# Allegro board RUBUS_20173009.brd (continued)
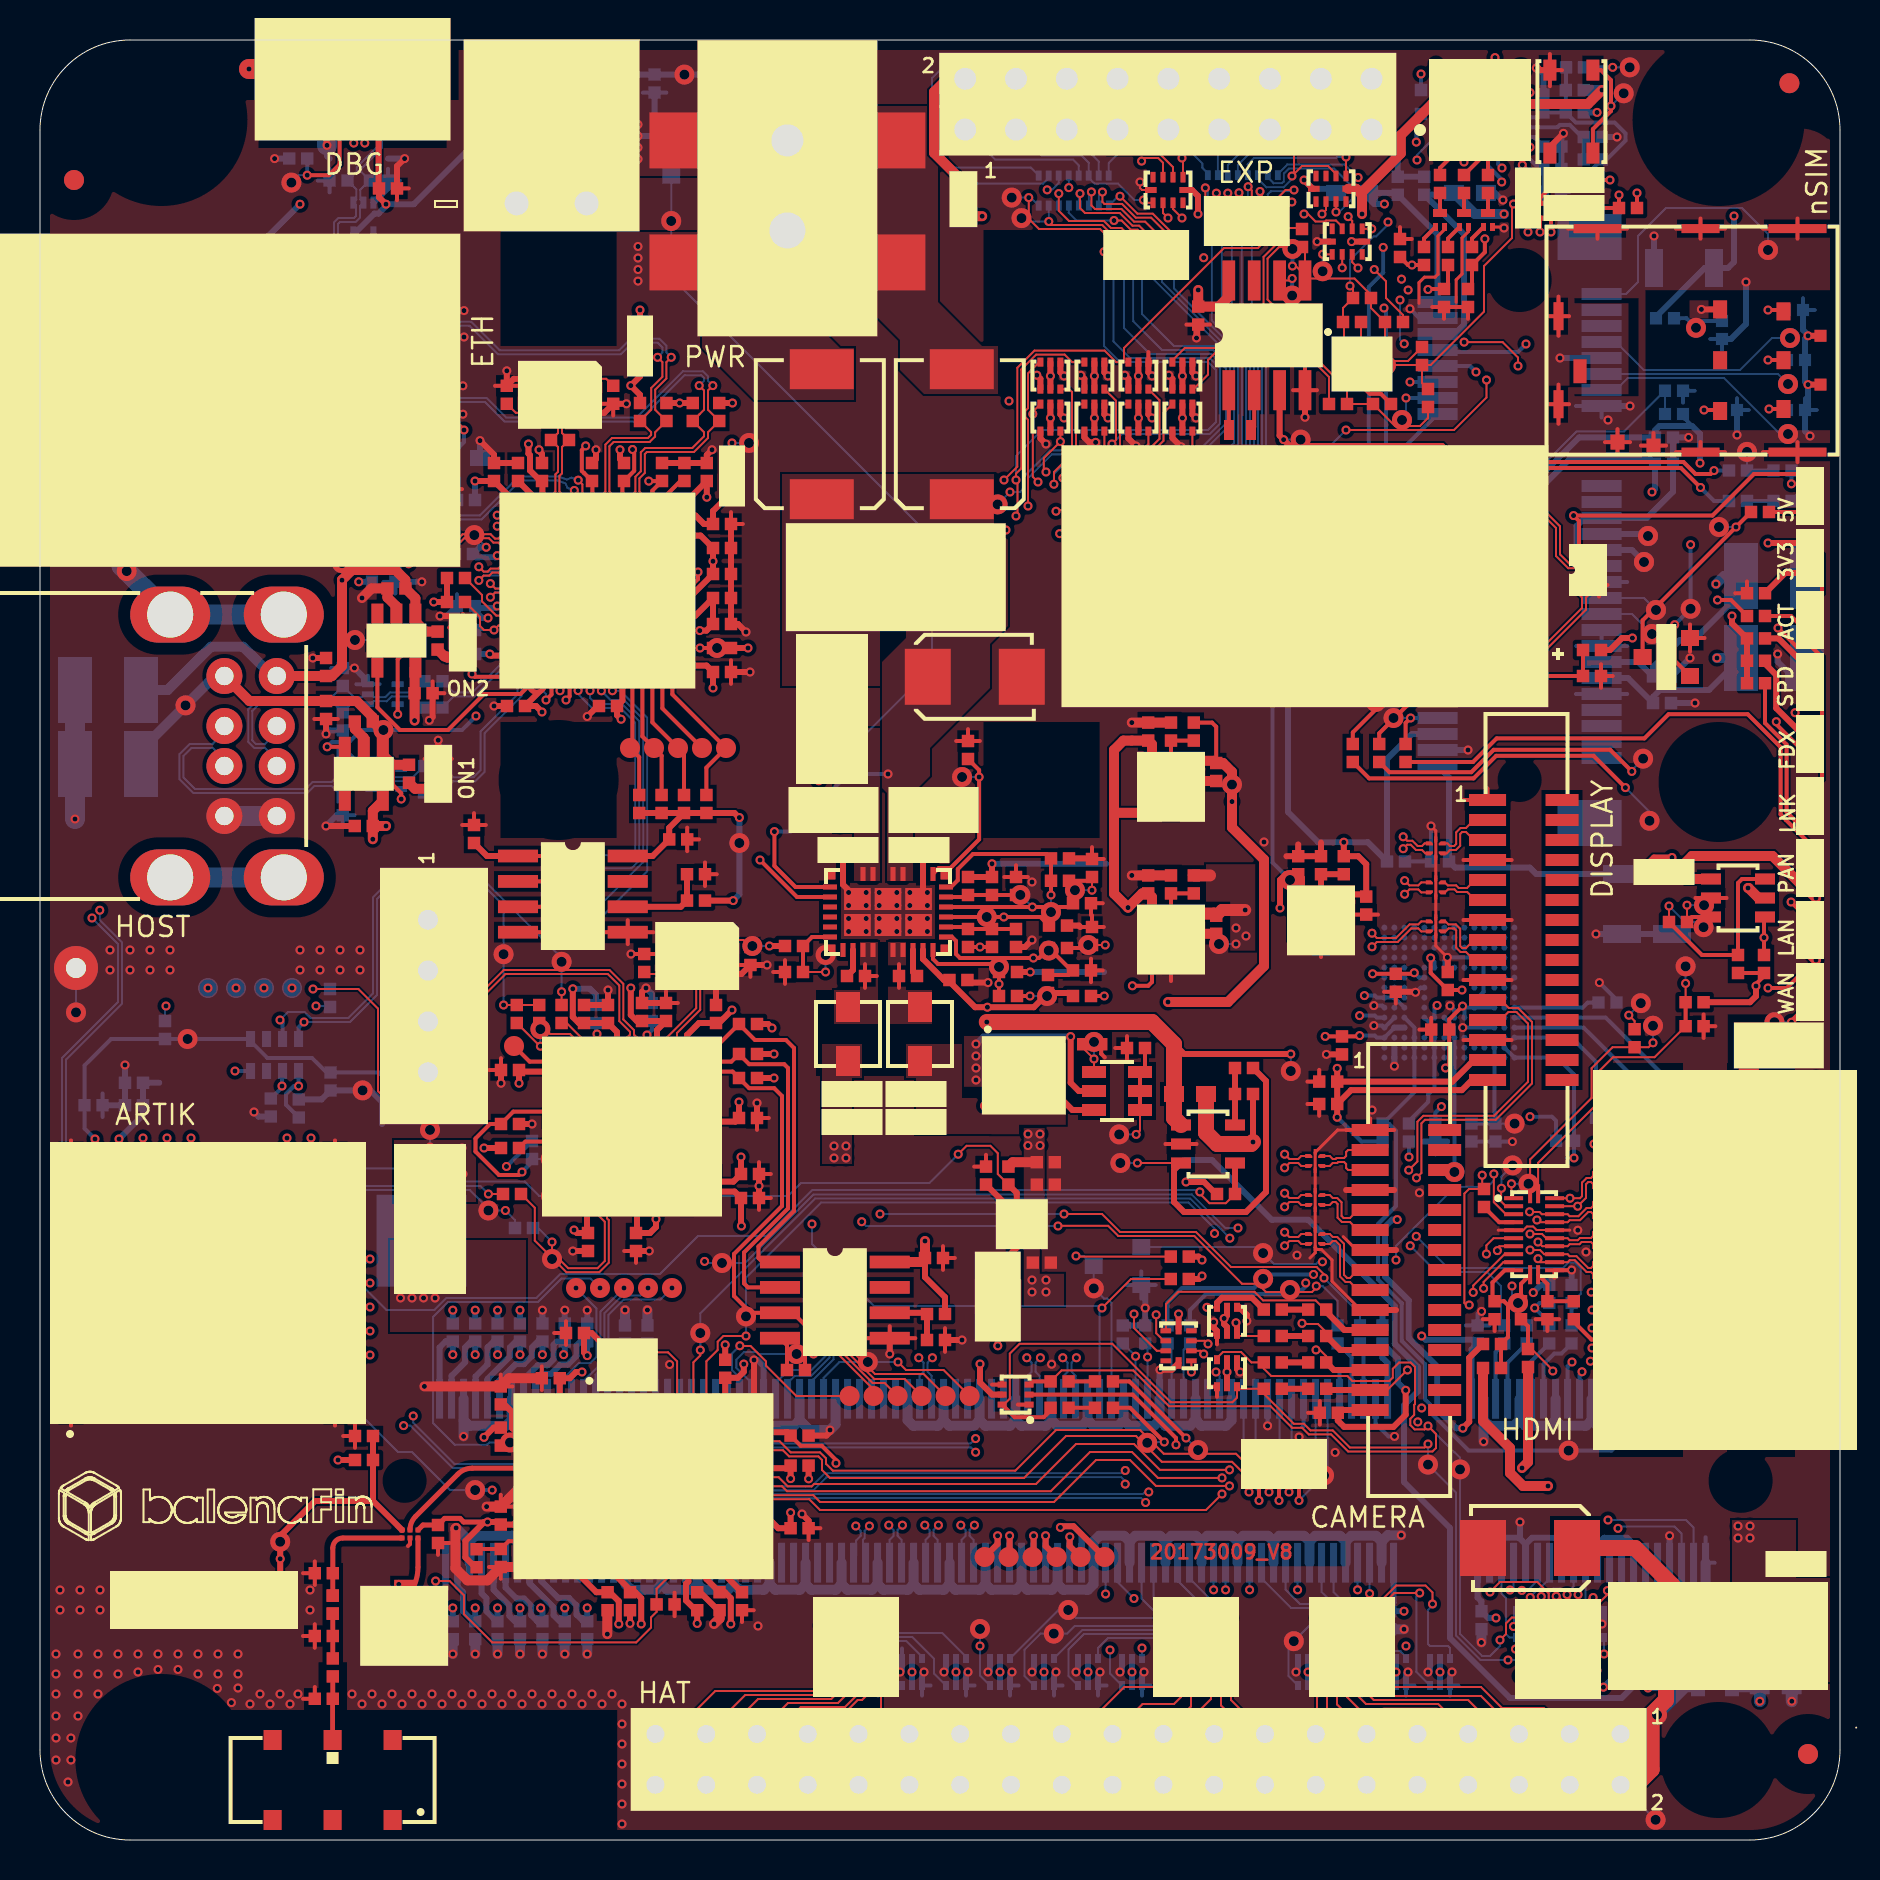
[diagram p0: board, top side]
## Placement (name value [footprint] x y rotation side) (continued)
NOREF#1676  -  []  4.56 37.55 90 top
NOREF#1677  -  []  70.23 29.5 90 top
NOREF#1678  -  []  75.17 86.38 90 top
NOREF#1679  -  []  63.69 30.6 0 top
NOREF#1680  -  []  16.39 57.79 0 top
NOREF#1681  -  []  42.7 7.9 90 top
NOREF#1682  -  []  57.91 75.77 90 top
NOREF#1683  -  []  69.56 40.52 0 top
NOREF#1684  -  []  70.24 45.33 90 top
NOREF#1685  -  []  39.05 7.65 0 top
NOREF#1686  -  []  75.92 76.19 0 top
NOREF#1687  -  []  69.89 77.86 0 top
NOREF#1688  -  []  40.9 36.3 0 top
NOREF#1689  -  []  101.58 69.17 90 top
NOREF#1690  -  []  77.12 88.17 0 top
NOREF#1691  -  []  20.95 25.52 90 top
NOREF#1692  -  []  95.3 33.5 90 top
NOREF#1693  -  []  77.88 80.57 0 top
NOREF#1694  -  []  72.15 14.6 0 top
NOREF#1695  -  []  14.64 11.32 90 top
NOREF#1696  -  []  15.14 55.48 90 top
NOREF#1697  -  []  15.43 56.23 0 top
NOREF#1698  -  []  38.62 50.55 90 top
NOREF#1699  -  []  49.99 29.77 90 top
NOREF#1700  -  []  70.08 42.81 0 top
NOREF#1701  -  []  57.27 43.47 0 top
NOREF#1702  -  []  59.16 31.99 90 top
NOREF#1703  -  []  47.95 23 0 top
NOREF#1704  -  []  12 6.55 0 top
NOREF#1705  -  []  33.65 58.4 0 top
NOREF#1706  -  []  65.1 39.28 90 top
NOREF#1707  -  []  75.49 35.27 0 top
NOREF#1708  -  []  57.73 43.47 90 top
NOREF#1709  -  []  79.99 37.96 0 top
NOREF#1710  -  []  46.99 33.98 0 top
NOREF#1711  -  []  26.89 41.16 0 top
NOREF#1712  -  []  58.5 53.26 0 top
NOREF#1713  -  []  28.71 40.54 90 top
NOREF#1714  -  []  57.5 24.86 0 top
NOREF#1715  -  []  40.73 52.45 0 top
NOREF#1716  -  []  85.9 79.5 0 top
NOREF#1717  -  []  18.89 52.69 0 top
NOREF#1718  -  []  48.02 36.33 0 top
NOREF#1719  -  []  6.07 4 0 top
NOREF#1720  -  []  79.05 10.35 0 top
NOREF#1721  -  []  78.95 81.6 0 top
NOREF#1722  -  []  37.84 43.71 0 top
NOREF#1723  -  []  4.2 55.85 90 top
NOREF#1724  -  []  74.71 24.24 90 top
NOREF#1725  -  []  50.02 72.55 90 top
NOREF#1726  -  []  24.91 33.74 90 top
NOREF#1727  -  []  71.91 85.14 90 top
NOREF#1728  -  []  85.05 63.2 0 top
NOREF#1729  -  []  57.62 72.55 90 top
NOREF#1730  -  []  55.26 24.83 90 top
NOREF#1731  -  []  80.34 57.16 0 top
NOREF#1732  -  []  51.74 21.3 90 top
NOREF#1733  -  []  20.45 74.84 90 top
NOREF#1734  -  []  53.07 72.02 0 top
NOREF#1735  -  []  73.98 53 90 top
NOREF#1736  -  []  44.35 25 0 top
NOREF#1737  -  []  71.57 26.04 0 top
NOREF#1738  -  []  25.12 24.93 90 top
NOREF#1739  -  []  22.01 49.54 90 top
NOREF#1740  -  []  81.15 49.25 0 top
NOREF#1741  -  []  70.7 42.19 90 top
NOREF#1742  -  []  65.91 82.75 0 top
NOREF#1743  -  []  29 54.6 0 top
NOREF#1744  -  []  88.15 45.9 0 top
NOREF#1745  -  []  78.05 14.55 0 top
NOREF#1746  -  []  67.79 42.41 90 top
NOREF#1747  -  []  35.76 14.86 90 top
NOREF#1748  -  []  51.34 43.79 0 top
NOREF#1749  -  []  31.46 50.03 0 top
NOREF#1750  -  []  24.2 71.94 0 top
NOREF#1751  -  []  67.75 14.65 0 top
NOREF#1752  -  []  69.45 83.95 0 top
NOREF#1753  -  []  19.57 60.73 0 top
NOREF#1754  -  []  23.01 67.64 90 top
NOREF#1755  -  []  57.75 28.86 90 top
NOREF#1756  -  []  73.08 71.92 0 top
NOREF#1757  -  []  37.04 23.81 0 top
NOREF#1758  -  []  69.95 84.45 0 top
NOREF#1759  -  []  60.88 26.83 0 top
NOREF#1760  -  []  26.55 25.52 90 top
NOREF#1761  -  []  33.03 68.26 0 top
NOREF#1762  -  []  67.68 13.86 0 top
NOREF#1763  -  []  17.71 82.66 90 top
NOREF#1764  -  []  71.88 35.51 90 top
NOREF#1765  -  []  83.28 45.65 90 top
NOREF#1766  -  []  87.35 71.5 0 top
NOREF#1767  -  []  74.86 84.98 0 top
NOREF#1768  -  []  19.16 11.56 0 top
NOREF#1769  -  []  57.75 27.74 90 top
NOREF#1770  -  []  47.44 40.13 0 top
NOREF#1771  -  []  75.66 25.8 90 top
NOREF#1772  -  []  77.12 84.02 90 top
NOREF#1773  -  []  46.15 7.95 0 top
NOREF#1774  -  []  26.61 25.04 90 top
NOREF#1775  -  []  7.9 42.6 0 top
NOREF#1776  -  []  77.61 42.18 0 top
NOREF#1777  -  []  23.65 72.4 90 top
NOREF#1778  -  []  40.15 48.77 0 top
NOREF#1779  -  []  67.2 7.4 90 top
NOREF#1780  -  []  14.5 41.65 90 top
NOREF#1781  -  []  48.1 22.77 0 top
NOREF#1782  -  []  40.09 71.94 90 top
NOREF#1783  -  []  69.86 48.62 90 top
NOREF#1784  -  []  76.38 26.35 0 top
NOREF#1785  -  []  39.8 35.9 0 top
NOREF#1786  -  []  19.51 53.39 90 top
NOREF#1787  -  []  9.22 51.2 0 top
NOREF#1788  -  []  66.58 85.52 90 top
NOREF#1789  -  []  78 81.2 90 top
NOREF#1790  -  []  65.2 73.05 0 top
NOREF#1791  -  []  51.65 46.84 0 top
NOREF#1792  -  []  26.24 10.04 90 top
NOREF#1793  -  []  66.62 45.96 90 top
NOREF#1794  -  []  76.95 62.75 0 top
NOREF#1795  -  []  70.35 8.85 90 top
NOREF#1796  -  []  4.25 37.86 0 top
NOREF#1797  -  []  50.08 77.6 90 top
NOREF#1798  -  []  61.66 71.49 0 top
NOREF#1799  -  []  76.69 26.04 90 top
NOREF#1800  -  []  63.1 79.65 90 top
NOREF#1801  -  []  45.47 43 0 top
NOREF#1802  -  []  14.75 22.2 90 top
NOREF#1803  -  []  88.74 5.3 0 top
NOREF#1804  -  []  19.88 59.52 90 top
NOREF#1805  -  []  67.44 34.61 90 top
NOREF#1806  -  []  48.34 31.52 0 top
NOREF#1807  -  []  42.4 9.9 0 top
NOREF#1808  -  []  14.84 37.17 90 top
NOREF#1809  -  []  77.15 11.55 0 top
NOREF#1810  -  []  50.4 42.35 90 top
NOREF#1811  -  []  7.7 8.82 0 top
NOREF#1812  -  []  78.23 41.56 90 top
NOREF#1813  -  []  72.73 61.12 0 top
NOREF#1814  -  []  56.05 10.15 0 top
NOREF#1815  -  []  18.23 17.96 0 top
NOREF#1816  -  []  51.96 43.17 90 top
NOREF#1817  -  []  74.65 11.25 90 top
NOREF#1818  -  []  31.76 66.44 90 top
NOREF#1819  -  []  75.7 13.2 90 top
NOREF#1820  -  []  30.29 41.26 0 top
NOREF#1821  -  []  3.63 65.84 0 top
NOREF#1822  -  []  31.06 43.88 0 top
NOREF#1823  -  []  18.08 0.5 90 top
NOREF#1824  -  []  81.6 45.3 90 top
NOREF#1825  -  []  63.72 26.21 90 top
NOREF#1826  -  []  77.92 41.87 0 top
NOREF#1827  -  []  19.51 52.07 90 top
NOREF#1828  -  []  54.85 50.91 90 top
NOREF#1829  -  []  19.22 56.62 0 top
NOREF#1830  -  []  23.91 58.58 0 top
NOREF#1831  -  []  34.95 38.1 0 top
NOREF#1832  -  []  71.76 84.79 90 top
NOREF#1833  -  []  70.19 82.75 0 top
NOREF#1834  -  []  80.04 39.33 90 top
NOREF#1835  -  []  27.02 21.29 0 top
NOREF#1836  -  []  56.05 10.15 90 top
NOREF#1837  -  []  13.74 7.06 0 top
NOREF#1838  -  []  13.9 85.02 90 top
NOREF#1839  -  []  55.88 85.53 0 top
NOREF#1840  -  []  59.4 9.9 0 top
NOREF#1841  -  []  85.15 24.5 90 top
NOREF#1842  -  []  19.24 72.71 0 top
NOREF#1843  -  []  3.75 21 0 top
NOREF#1844  -  []  21.44 60.81 0 top
NOREF#1845  -  []  87.25 76.5 0 top
NOREF#1846  -  []  30.37 19.49 0 top
NOREF#1847  -  []  40.35 43.2 0 top
NOREF#1848  -  []  66.51 79.77 90 top
NOREF#1849  -  []  57.21 78.75 90 top
NOREF#1850  -  []  29.9 27.6 0 top
NOREF#1851  -  []  48.22 31.02 0 top
NOREF#1852  -  []  54.35 39.6 0 top
NOREF#1853  -  []  63.67 82.19 90 top
NOREF#1854  -  []  80.16 81.29 90 top
NOREF#1855  -  []  63.1 22.87 0 top
NOREF#1856  -  []  29.9 44.61 0 top
NOREF#1857  -  []  33.63 51.04 90 top
NOREF#1858  -  []  34.86 58.09 90 top
NOREF#1859  -  []  78.65 49.25 0 top
NOREF#1860  -  []  34.11 40.54 90 top
NOREF#1861  -  []  55 36.5 90 top
NOREF#1862  -  []  82.66 45.59 90 top
NOREF#1863  -  []  20.85 67 0 top
NOREF#1864  -  []  69.72 46.23 0 top
NOREF#1865  -  []  34.27 71.54 90 top
NOREF#1866  -  []  86.25 112.01 90 top
NOREF#1867  -  []  72.38 11.13 90 top
NOREF#1868  -  []  38.46 43.09 90 top
NOREF#1869  -  []  31.39 51.04 90 top
NOREF#1870  -  []  25.04 53.09 0 top
NOREF#1871  -  []  14.95 7.87 90 top
NOREF#1872  -  []  27.05 11.25 0 top
NOREF#1873  -  []  14.13 85.45 90 top
NOREF#1874  -  []  77.15 9.05 0 top
NOREF#1875  -  []  38.6 55.6 0 top
NOREF#1876  -  []  62.49 79.7 90 top
NOREF#1877  -  []  15.14 51.24 90 top
NOREF#1878  -  []  54.27 71.57 90 top
NOREF#1879  -  []  22.2 12.86 0 top
NOREF#1880  -  []  70.76 85.29 0 top
NOREF#1881  -  []  52.29 45.06 0 top
NOREF#1882  -  []  20.85 59.3 0 top
NOREF#1883  -  []  25.77 41.16 0 top
NOREF#1884  -  []  61.5 22.25 90 top
NOREF#1885  -  []  84.1 75.05 90 top
NOREF#1886  -  []  66.96 53.9 90 top
NOREF#1887  -  []  69.88 67.3 0 top
NOREF#1888  -  []  22.57 26.14 0 top
NOREF#1889  -  []  59.75 33.85 90 top
NOREF#1890  -  []  13.99 59.41 0 top
NOREF#1891  -  []  35.36 32.99 90 top
NOREF#1892  -  []  33.09 86.7 90 top
NOREF#1893  -  []  83.28 47.6 0 top
NOREF#1894  -  []  18.5 15.5 0 top
NOREF#1895  -  []  55.27 72.32 90 top
NOREF#1896  -  []  85.73 65.3 0 top
NOREF#1897  -  []  81.31 10.85 0 top
NOREF#1898  -  []  80.81 9.11 90 top
NOREF#1899  -  []  19.03 15.38 90 top
NOREF#1900  -  []  69.71 71.34 90 top
NOREF#1901  -  []  33.65 63.3 0 top
NOREF#1902  -  []  13.25 36.72 90 top
NOREF#1903  -  []  87.35 74 0 top
NOREF#1904  -  []  44.3 48.17 90 top
NOREF#1905  -  []  44.25 29.1 0 top
NOREF#1906  -  []  26.97 17.49 90 top
NOREF#1907  -  []  76.48 33.6 0 top
NOREF#1908  -  []  32.35 48.29 0 top
NOREF#1909  -  []  14.61 58.79 90 top
NOREF#1910  -  []  52.6 44.75 90 top
NOREF#1911  -  []  31.1 27.6 0 top
NOREF#1912  -  []  14.33 11.63 0 top
NOREF#1913  -  []  69.21 82.27 90 top
NOREF#1914  -  []  56.2 37.7 0 top
NOREF#1915  -  []  68.15 7.95 0 top
NOREF#1916  -  []  60.88 22.87 0 top
NOREF#1917  -  []  14.95 13.03 90 top
NOREF#1918  -  []  75.48 86.97 90 top
NOREF#1919  -  []  5.94 41.26 0 top
NOREF#1920  -  []  66.85 11.65 0 top
NOREF#1921  -  []  84.47 11.37 0 top
NOREF#1922  -  []  69.4 71.65 90 top
NOREF#1923  -  []  22.88 10.04 90 top
NOREF#1924  -  []  72.73 61.12 90 top
NOREF#1925  -  []  85.66 57.53 90 top
NOREF#1926  -  []  83.91 61.12 0 top
NOREF#1927  -  []  61.19 26.52 0 top
NOREF#1928  -  []  1.3 43.6 0 top
NOREF#1929  -  []  64.1 18.3 90 top
NOREF#1930  -  []  64.06 25.8 0 top
NOREF#1931  -  []  57.81 25.42 90 top
NOREF#1932  -  []  19.83 75.46 0 top
NOREF#1933  -  []  24.15 40.54 90 top
NOREF#1934  -  []  85.89 38.78 90 top
NOREF#1935  -  []  43 37.3 0 top
NOREF#1936  -  []  3.94 38.17 0 top
NOREF#1937  -  []  63.65 37.11 0 top
NOREF#1938  -  []  62.29 83.74 0 top
NOREF#1939  -  []  16.09 57.64 0 top
NOREF#1940  -  []  39.98 22.2 0 top
NOREF#1941  -  []  76.61 88.32 90 top
NOREF#1942  -  []  23.9 47.93 90 top
NOREF#1943  -  []  32.6 54.6 0 top
NOREF#1944  -  []  46.26 85.52 0 top
NOREF#1945  -  []  25.68 23.4 0 top
NOREF#1946  -  []  16.19 54.66 0 top
NOREF#1947  -  []  87.17 71.55 90 top
NOREF#1948  -  []  99.77 69.74 90 top
NOREF#1949  -  []  24.31 25.52 90 top
NOREF#1950  -  []  13.99 56.36 0 top
NOREF#1951  -  []  74.9 82.5 90 top
NOREF#1952  -  []  53.07 72.32 90 top
NOREF#1953  -  []  23.04 57.01 0 top
NOREF#1954  -  []  85.49 7.29 90 top
NOREF#1955  -  []  35.83 43.44 90 top
NOREF#1956  -  []  50.33 14.15 0 top
NOREF#1957  -  []  13.08 64.67 0 top
NOREF#1958  -  []  51.05 33.58 90 top
NOREF#1959  -  []  13.32 62.52 0 top
NOREF#1960  -  []  72.74 25.11 0 top
NOREF#1961  -  []  29.25 24.83 90 top
NOREF#1962  -  []  39.3 35.5 90 top
NOREF#1963  -  []  63.76 31.7 90 top
NOREF#1964  -  []  34.24 58.71 0 top
NOREF#1965  -  []  61.39 81.74 0 top
NOREF#1966  -  []  3.63 66.94 90 top
NOREF#1967  -  []  21.76 10.04 90 top
NOREF#1968  -  []  20.45 72.4 90 top
NOREF#1969  -  []  15.75 20.2 0 top
NOREF#1970  -  []  55.17 81.53 90 top
NOREF#1971  -  []  80.54 66.08 90 top
NOREF#1972  -  []  20.19 60.11 90 top
NOREF#1973  -  []  47.87 36.88 90 top
NOREF#1974  -  []  34.95 36.1 0 top
NOREF#1975  -  []  80.81 10.23 90 top
NOREF#1976  -  []  16.05 55.61 90 top
NOREF#1977  -  []  67.69 79.46 0 top
NOREF#1978  -  []  17.13 66.28 0 top
NOREF#1979  -  []  13.67 83.76 90 top
NOREF#1980  -  []  63.75 7.95 0 top
NOREF#1981  -  []  48.8 44.65 90 top
NOREF#1982  -  []  55.42 70.44 90 top
NOREF#1983  -  []  73.75 88.55 0 top
NOREF#1984  -  []  66.31 46.27 90 top
NOREF#1985  -  []  24.65 41.16 0 top
NOREF#1986  -  []  46.71 53.74 90 top
NOREF#1987  -  []  79.9 65.2 0 top
NOREF#1988  -  []  24.21 68.54 90 top
NOREF#1989  -  []  80.4 48.4 0 top
NOREF#1990  -  []  66.7 74.85 0 top
NOREF#1991  -  []  71.76 11.75 0 top
NOREF#1992  -  []  50.43 34.2 0 top
NOREF#1993  -  []  58 47.92 90 top
NOREF#1994  -  []  55.1 56.18 0 top
NOREF#1995  -  []  24.81 12.71 90 top
NOREF#1996  -  []  65.65 77.1 0 top
NOREF#1997  -  []  22.39 68.26 0 top
NOREF#1998  -  []  67.48 43.62 0 top
NOREF#1999  -  []  64.21 33.6 90 top
PB1  PB-SPST-SKRPADE010  [PB-SKRPA]  76.57 86.42 90 top
Q1  BSS138  [SOT23]  55.06 29.65 0 bottom
Q2  BSS138  [SOT23]  35.91 88.05 0 bottom
Q3  BSS138  [SOT23]  31.56 83.21 180 bottom
Q6  BSS138  [SOT23]  13.08 64.67 180 bottom
Q7  MMBT3904LP-7B  [UFDFN3]  72.4 81 90 top
Q8  MMBT3904LP-7B  [UFDFN3]  71.2 81 90 top
Q9  MMBT3904LP-7B  [UFDFN3]  70 81 90 top
Q13  BSS138  [SOT23]  82.5 58.2 0 top
Q14  SISS27DN-T1-GE3  [POWERVDFN8-0330X0330]  49.19 38.23 270 top
Q15  DMMT5401-7-F  [SOT23-6L]  55 36.5 90 top
Q16  FDC6327C  [SOT23-6-DBV]  84.9 47.1 90 top
Q17  FDC6327C  [SOT23-6-DBV]  58.4 34.8 90 top
Q18  PMGD280UN  [SOT363]  66.1 73.8 0 top
R1  2.49k  [RS-0402]  80.5 10.99 270 bottom
R2  0R  [RS-0402]  82.73 41.89 0 top
R3  2.49k  [RS-0402]  81.62 10.99 270 bottom
R4  2.49k  [RS-0402]  82.74 10.99 270 bottom
R5  2.49k  [RS-0402]  83.86 10.99 270 bottom
R6  0R  [RS-0402]  79.73 40.09 270 top
R7  100k  [RS-0402]  76.58 27.3 270 bottom
R8  0R  [RS-0402]  76.58 25.28 90 bottom
R9  0R  [RS-0402]  75.46 25.28 90 bottom
R10  100k  [RS-0402]  75.46 27.3 270 bottom
R11  0R  [RS-0402]  74.34 25.28 90 bottom
R12  0R  [RS-0402]  73.22 25.28 90 bottom
R13  0R  [RS-0402]  72.2 32.1 270 top
R14  NU  [RS-0402]  66 25.28 90 bottom
R15  NU  [RS-0402]  64.88 25.28 90 bottom
R16  0R  [RS-0402]  74.05 26.49 90 top
R17  0R  [RS-0402]  57.5 25.28 90 bottom
R18  100k  [RS-0402]  55.26 25.28 270 bottom
R19  0R  [RS-0402]  56.38 25.28 90 bottom
R20  100k  [RS-0402]  54.14 25.28 270 bottom
R21  100k  [RS-0402]  56.99 29.17 0 top
R22  100k  [RS-0402]  56.99 28.05 0 top
R23  100R  [RS-0402]  50.98 22.93 0 top
R24  100R  [RS-0402]  53.2 22.93 0 top
R25  100R  [RS-0402]  50.98 21.61 0 top
R26  100R  [RS-0402]  53.2 21.61 0 top
R28  10k  [RS-0402]  30.37 25.28 90 bottom
R29  10k  [RS-0402]  29.25 25.28 90 bottom
R31  470R  [RS-0402]  85.8 61.2 0 top
R32  47k  [RS-0402]  30.73 87.82 90 bottom
R35  24.9k  [RS-0402]  57.69 55.42 90 top
R37  10k  [RS-0402]  56.55 55.42 270 top
R42  12.4k  [RS-0402]  57.69 47.78 90 top
R46  10k  [RS-0402]  56.55 47.78 270 top
R49  8.66k  [RS-0402]  65.19 48.74 90 top
R52  10k  [RS-0402]  64.05 48.74 270 top
R66  1k  [RS-0402]  86 66.4 0 top
R67  470R  [RS-0402]  85.8 62.34 0 top
R81  100R  [RS-0402]  63.86 26.52 180 top
R82  100R  [RS-0402]  61.64 26.52 180 top
R83  100R  [RS-0402]  63.86 25.2 180 top
R84  100R  [RS-0402]  61.64 25.2 180 top
R85  100R  [RS-0402]  63.86 23.88 180 top
R86  100R  [RS-0402]  61.64 23.88 180 top
R87  100R  [RS-0402]  63.86 22.56 180 top
R88  100R  [RS-0402]  61.64 22.56 180 top
R91  0R  [RS-0402]  19.65 53.7 180 bottom
R92  0R  [RS-0402]  19.65 52.38 180 bottom
R96  1M  [RS-1206]  4.08 66.39 270 bottom
R108  0R  [RS-0402]  19.67 56.62 180 bottom
R109  0R  [RS-0402]  19.67 57.94 180 bottom
R113  47k  [RS-0402]  16.6 63.36 90 bottom
R114  0R  [RS-0402]  14.24 78.76 90 bottom
R115  0R  [RS-0402]  15.36 78.76 90 bottom
R116  47k  [RS-0402]  11.64 65.55 270 bottom
R117  1M  [RS-1206]  12.85 85.97 180 bottom
R118  10k  [RS-0402]  14.53 37.93 270 bottom
R119  240R  [RS-0402]  72.4 82.8 90 top
R120  100k  [RS-0402]  71.6 79.2 90 top
R121  200R  [RS-0402]  71.2 82.8 90 top
R122  100k  [RS-0402]  70.4 79.2 90 top
R123  200R  [RS-0402]  70 82.8 90 top
R124  100k  [RS-0402]  69.2 79.2 90 top
R128  10k  [RS-0402]  12.94 36.58 90 bottom
R132  10k  [RS-0402]  11.54 36.62 270 bottom
R133  49.9k  [RS-0402]  68.45 35.37 270 bottom
R134  10k  [RS-0402]  67.13 35.37 270 bottom
R135  49.9k  [RS-0402]  76.25 34.96 180 bottom
R136  49.9k  [RS-0402]  80.62 35.67 180 bottom
R137  49.9k  [RS-0402]  79.85 37.65 0 bottom
R138  49.9k  [RS-0402]  78.25 36.12 0 bottom
R139  0R  [RS-0402]  78.37 41.87 180 bottom
R140  0R  [RS-0402]  69.77 35.37 90 bottom
R142  100R  [RS-0402]  84.9 68.47 0 bottom
R143  100R  [RS-0402]  87.12 68.47 0 bottom
R144  100R  [RS-0402]  84.9 66.95 0 bottom
R145  100R  [RS-0402]  87.12 66.95 0 bottom
R146  330R  [RS-0402]  65.64 54.35 270 top
R147  330R  [RS-0402]  66.96 54.35 270 top
R148  330R  [RS-0402]  68.28 54.35 270 top
R149  NU  [RS-0402]  81.25 76.09 180 bottom
R150  10k  [RS-0402]  71.4 77.1 90 top
R151  10k  [RS-0402]  70.2 77.1 90 top
R152  10k  [RS-0402]  68 79.6 270 top
R153  NU  [RS-0402]  12.91 84.07 0 bottom
R162  49.9R  [RS-0402]  31.32 71.4 90 top
R163  49.9R  [RS-0402]  30 71.4 90 top
R164  49.9R  [RS-0402]  33.96 71.4 90 top
R165  49.9R  [RS-0402]  32.64 71.4 90 top
R169  NU  [RS-0402]  32.8 46.97 0 top
R170  10k  [RS-0402]  21.7 50.3 270 top
R171  0R  [RS-0402]  32.8 48.29 180 top
R174  470R  [RS-0402]  85.8 60.08 180 top
R175  470R  [RS-0402]  85.8 57.84 180 top
R177  470R  [RS-0402]  85.8 58.96 180 top
R180  100k  [RS-0402]  48.42 33.22 90 top
R182  100R  [RS-1206]  47.89 27.17 270 top
R183  0R  [RS-0402]  80.5 8.97 90 bottom
R184  NU  [RS-0402]  81.62 8.97 90 bottom
R185  22R  [RS-0603]  76.7 81.6 0 top
R186  22R  [RS-0603]  76.7 83 0 top
R187  22R  [RS-0603]  74.4 82.1 90 top
R188  15k  [RS-0402]  79.4 81.6 0 top
R189  10k  [RS-0402]  84.1 75.5 90 bottom
R190  2.2k  [RS-0402]  37.8 23.5 180 top
R191  10k  [RS-0402]  35.4 40.8 0 top
R192  10k  [RS-0402]  27.8 41.3 90 bottom
R193  12k  [RS-0402]  30.6 41.4 270 bottom
R196  10k  [RS-0402]  35.4 39.3 180 top
R197  10k  [RS-0402]  35.4 38.1 180 top
R198  0R  [RS-0402]  44.8 26.3 0 top
R199  NU  [RS-0402]  44.8 25 180 top
R200  10R  [RS-0402]  21.3 67 0 bottom
R201  12k  [RS-0402]  23.9 68.4 90 top
R202  12.4k  [RS-0402]  32.22 68.4 90 top
R203  10k  [RS-0402]  34.1 59.6 0 top
R204  1M  [RS-0402]  26 70 180 top
R205  10k  [RS-0402]  20.8 61.9 180 top
R206  10k  [RS-0402]  33.32 51.8 270 top
R207  10k  [RS-0402]  32.2 51.8 270 top
R208  10k  [RS-0402]  31.08 51.8 270 top
R209  10k  [RS-0402]  29.96 51.8 270 top
R210  1k  [RS-0402]  18.45 53.31 90 top
R211  1k  [RS-0402]  19.88 59.97 90 top
R212  1k  [RS-0402]  20.8 63.1 180 top
R213  470R  [RS-0402]  24.96 41.3 270 top
R214  0R  [RS-0402]  26.08 41.3 270 top
R215  0R  [RS-0402]  23.84 41.3 270 top
R216  0R  [RS-0402]  24.6 34.5 270 bottom
R217  10k  [RS-0402]  23.5 34.6 180 top
R218  10k  [RS-0402]  31.28 11.78 180 top
R219  10k  [RS-0402]  23.04 20.17 270 top
R220  10k  [RS-0402]  21.83 14.09 90 top
R221  NU  [RS-0402]  23.04 14.1 90 top
R222  NU  [RS-0402]  23.04 22.23 270 top
R224  0R  [RS-0402]  14.64 11.77 270 top
R229  0R  [RS-0402]  77.64 85.15 180 bottom
R230  NU  [RS-0402]  77.64 84.03 0 bottom
R231  0R  [RS-0402]  75.62 84.67 180 bottom
R232  0R  [RS-0402]  75.62 83.55 180 bottom
R233  NU  [RS-0402]  76.75 88.63 180 bottom
R234  NU  [RS-0402]  75.6 82.4 0 bottom
R235  0R  [RS-0402]  76.74 86.38 0 bottom
R236  NU  [RS-0402]  76.74 87.5 0 bottom
R237  0R  [RS-0402]  28.47 86.28 180 bottom
R238  0R  [RS-0402]  23.6 32.3 180 top
R240  10k  [RS-0402]  16.2 19 180 top
R243  0R  [RS-0402]  72.6 24.8 0 top
R244  NU  [RS-0402]  72.6 23.6 0 top
R245  10k  [RS-0402]  74.4 24.1 90 top
R246  10k  [RS-0402]  81.7 71.3 0 bottom
R247  NU  [RS-0402]  81.7 72.46 180 bottom
R248  10k  [RS-0402]  77.6 59.5 0 top
R249  0R  [RS-0402]  69.5 86.3 0 bottom
R250  0R  [RS-0402]  69.5 87.5 0 bottom
R251  15k  [RS-0402]  51 47.96 0 top
R252  15k  [RS-0402]  50.9 44.6 0 top
R253  NU  [RS-0402]  50.4 42.8 270 top
R254  NU  [RS-0402]  48.4 43.4 0 top
R255  0R  [RS-0402]  48.4 42.2 0 top
R256  NU  [RS-0402]  52.1 42.2 180 top
R257  1M  [RS-0402]  47.6 45.1 270 top
R258  1M  [RS-0402]  47.6 47.7 90 top
R259  NU  [RS-0402]  37.7 44.7 180 top
R260  47k  [RS-0402]  52.61 39.79 180 top
R262  10k  [RS-0402]  54.8 39.6 0 top
R263  15k  [RS-0402]  46.4 54.5 270 top
R264  0R  [RS-0402]  37.7 43.4 0 top
R265  191k  [RS-0402]  48.8 45.1 90 top
R266  316k  [RS-0402]  48.8 47.7 270 top
R267  NU  [RS-0603]  81.2 48.4 0 top
R268  NU  [RS-0603]  57.5 37.3 180 top
R269  1k  [RS-0402]  81.9 45.9 0 top
R270  2.2k  [RS-0402]  60.2 38.6 0 top
R271  10k  [RS-0402]  84.9 43.8 270 top
R272  10k  [RS-0402]  60.2 37.3 0 top
R273  10k  [RS-0402]  86.2 43.8 270 top
R274  10k  [RS-0402]  59.3 32.3 180 top
R275  NU  [RS-0402]  16.2 20.2 0 top
R282  2.49k  [RS-0402]  69.1 74.2 270 top
R283  2.49k  [RS-0402]  65.6 75.9 0 top
R284  NU  [RS-0402]  64.9 71.8 180 top
R285  NU  [RS-0402]  63.1 80.1 270 top
R286  NU  [RS-0402]  66.1 77.1 180 top
R287  NU  [RS-0402]  69.4 72.1 270 top
R288  2.49k  [RS-0402]  67.1 71.8 0 top
R289  2.49k  [RS-0402]  67.7 75.9 180 top
R290  NU  [RS-0402]  6.25 40.5 90 bottom
R291  0R  [RS-0402]  24.2 30.6 180 bottom
R293  0R  [RS-0402]  14.5 42.1 270 bottom
RR2  100R/5%  [RR-8X-1506]  60.14 82.49 180 bottom
RR3  100R/5%  [RR-8X-1506]  60.34 80.95 0 top
RR4  49.9R  [RR-1206]  12.93 38.45 180 bottom
RR5  100R/5%  [RR-8X-1506]  65.6 10.9 180 top
RR6  100R/5%  [RR-8X-1506]  65.6 8.4 180 top
RR7  100R/5%  [RR-8X-1506]  57.8 8.4 0 top
RR8  100R/5%  [RR-8X-1506]  57.8 10.9 0 top
RR9  100R/5%  [RR-8X-1506]  75.9 10.8 180 top
RR10  100R/5%  [RR-8X-1506]  75.9 8.3 180 top
RR11  100R/5%  [RR-8X-1506]  40.8 8.4 0 top
RR12  100R/5%  [RR-8X-1506]  40.8 10.9 0 top
RR13  100R/5%  [RR-8X-1506]  55.31 79.25 0 top
RR14  100R/5%  [RR-8X-1506]  51.69 82.47 180 bottom
RR15  10k/5%  [RR-8X-1506]  62.2 18.8 0 top
TP1  TPS  [TPS-0100]  53.23 14.15 0 top
TP2  TPS  [TPS-0100]  52.03 14.15 0 top
TP3  TPS  [TPS-0100]  50.83 14.15 0 top
TP4  TPS  [TPS-0100]  49.63 14.15 0 top
TP5  TPS  [TPS-0100]  48.43 14.15 0 top
TP6  TPS  [TPS-0100]  47.23 14.15 0 top
TP7  TPS  [TPS-0100]  46.48 22.2 0 top
TP8  TPS  [TPS-0100]  45.28 22.2 0 top
TP9  TPS  [TPS-0100]  44.08 22.2 0 top
TP10  TPS  [TPS-0100]  42.88 22.2 0 top
TP11  TPS  [TPS-0100]  41.68 22.2 0 top
TP12  TPS  [TPS-0100]  40.48 22.2 0 top
TP21  TPT  [TPT-0100]  1.8 43.6 0 top
TP41  TPS  [TPS-0100]  70.72 33.4 180 bottom
TP46  TPS  [TPS-0100]  86.4 79.5 180 bottom
TP47  TPS  [TPS-0100]  87.4 72.8 180 bottom
TP49  TPS  [TPS-0100]  87.4 70.3 180 bottom
TP50  TPS  [TPS-0100]  87.5 75.1 180 bottom
TP55  TPS  [TPS-0100]  80.4 65.2 180 bottom
TP56  TPS  [TPS-0100]  80.2 63.9 180 bottom
TP57  TPS  [TPS-0100]  80.8 61.5 180 bottom
TP58  TPS  [TPS-0100]  80.6 60.3 180 bottom
TP59  TPS  [TPS-0100]  31.6 27.6 0 top
TP60  TPS  [TPS-0100]  30.4 27.6 0 top
TP61  TPS  [TPS-0100]  29.2 27.6 0 top
TP62  TPS  [TPS-0100]  28 27.6 0 top
TP63  TPS  [TPS-0100]  26.8 27.6 0 top
TP64  TPS  [TPS-0100]  62.5 48 180 bottom
TP65  TPS  [TPS-0100]  29.5 54.6 0 top
TP66  TPS  [TPS-0100]  30.7 54.6 0 top
TP67  TPS  [TPS-0100]  31.9 54.6 0 top
TP68  TPS  [TPS-0100]  33.1 54.6 0 top
TP69  TPS  [TPS-0100]  34.3 54.6 0 top
TP70  TPS  [TPS-0100]  12.6 42.6 180 bottom
TP71  TPS  [TPS-0100]  11.2 42.6 180 bottom
TP72  TPS  [TPS-0100]  9.8 42.6 180 bottom
TP73  TPS  [TPS-0100]  23.7 39.7 0 top
TP84  TPS  [TPS-0100]  8.4 42.6 180 bottom
TVS1  SMBJ36A  [SMB]  44.39 58.16 0 top
TVS2  TPD6E001RSER  [UFQFN10]  56.93 24.71 90 top
TVS3  TPD3E001DRLR  [SOP5]  17.32 53.05 0 bottom
TVS4  TPD3E001DRLR  [SOP5]  17.14 57.29 0 bottom
TVS5  TPD3E001DRLR  [SOP5]  16.17 81.12 270 bottom
TVS6  TPD6E001RSER  [UFQFN10]  56.4 82.5 0 top
TVS7  TPD6E001RSER  [UFQFN10]  65.36 79.92 0 top
TVS15  SM2T3V3A  [D-DO216AA]  87.72 10.99 180 bottom
TVS16  SM6T6V8A  [SMB]  76.85 14.6 180 top
TVS17  TPD3E001DRLR  [SOP5]  77.45 63.5 90 top
TVS18  TPD6E001RSER  [UFQFN10]  64.55 82.56 0 top
U1  TPD12S016RKTR  [UFQFN24-4X2]  74.7 30.29 270 top
U2  LD39050PUR  [IC-LD39050]  56.55 52.66 0 top
U5  LD39050PUR  [IC-LD39050]  56.55 45.02 0 top
U6  LD39050PUR  [IC-LD39050]  64.05 45.98 0 top
U8  FT2232H-56Q  [QFN56-EXP-8X8]  29.6 35.67 270 top
U10  TPS2051CDBVR  [SOT23-5]  17.14 54.66 180 top
U12  TPS2051CDBVR  [SOT23-5]  18.77 61.32 180 top
U13  FSUSB42UMX  [UMLP10]  17.64 65.79 0 bottom
U17  SDINBDG4-8G-I  [VFBGA153]  70.47 42.37 90 bottom
U19  93AA66CT-I/SN  [SOIC8]  23.9 49.2 270 top
U20  AP22800HB-7  [UFDFN8-EXP-0210X0160]  49.09 30.79 180 top
U21  93AA66CT-I/SN  [SOIC8]  37 28.9 270 top
U22  LAN9514-JZX  [IC-LAN9514]  27.87 62.47 0 top
U23  DS1307ZN+  [SOIC8]  59.44 72.49 0 top
U25  PCA9554BS3-118  [QFN16-EXP-3X3]  72.66 85.89 0 bottom
U26  BGS12SN6E6327XTSA1  [XFDFN6]  18.5 15.3 180 top
U27  LT8650SEV  [IC-LT8650SEV]  42.4 46.4 270 top
Y2  25MHz  [Y-ABM8G]  26 72.26 180 top
Y3  12M/18p  [Y-ABM8G]  32.86 44.2 180 top
Y4  ABS05-32.768KHZ-T  [Y-ABS05]  60 70.5 180 top
Y5  NZ2520SB-32.768KHZ-NSA3534C  [Y-NZ2520S]  29.37 23.76 0 top

## Library data of the parts
ANT1 = ANT - AH104N2450D1-T - 2.4G-5G: room: WIFI-BLUETOOTH
BAT1 = PORTA BATTERIA - SMTU1225-LF: room: RTC
C1 = CS-C-0402-10n/50V: room: CM3L
C2 C5 C7 C14 C16 C18 C20 C22 C24 C26 = CS-C-0402-10u/6V3-X5R: room: CM3L
C3 C9 C10 = CS-C-0402-100n/16V: room: HDMI
C4 C6 C13 C15 C17 C19 C21 C23 C25 = CS-C-0402-100n/16V: room: CM3L
C8 = CS-C-1206-10n/1kV: room: HDMI
C11 C12 = CS-C-0402-100n/16V: room: DISPLAY DSI
C27 C28 = CS-C-0402-1u/16-X5R: room: POWER 2V8
C39 C40 = CS-C-0402-1u/16-X5R: room: POWER 1V8
C42 C43 = CS-C-0402-1u/16-X5R: room: POWER 1V5
C44 C45 = CS-C-0402-27p/50V-C0G: room: USB-JTAG
C50 = CS-C-0402-330p/50V-C0G: room: USB-JTAG
C60 C201 = CS-C-0402: room: WIFI-BLUETOOTH
C61 = CS-C-0402-100n/16V: room: CAMERA CSI
C63 C64 C70 = CS-C-0402-100n/16V: room: USB HOST 1
